# Altium PCB OSA_V100.PcbDoc (part 5 of 5)
Units mm, origin at the board's own origin, x right, y up, seen from the top; angles counter-clockwise.
Board outline 82 x 80 mm, 6 copper layers ([L1] TOP, [L2] GND_1, [L3] SIGNAL, [L4] POWER, [L5] GND_2, [L6] BOTTOM), stack 1.608 mm thick; 297 components, 180 nets, 1222 pads, 1522 vias.
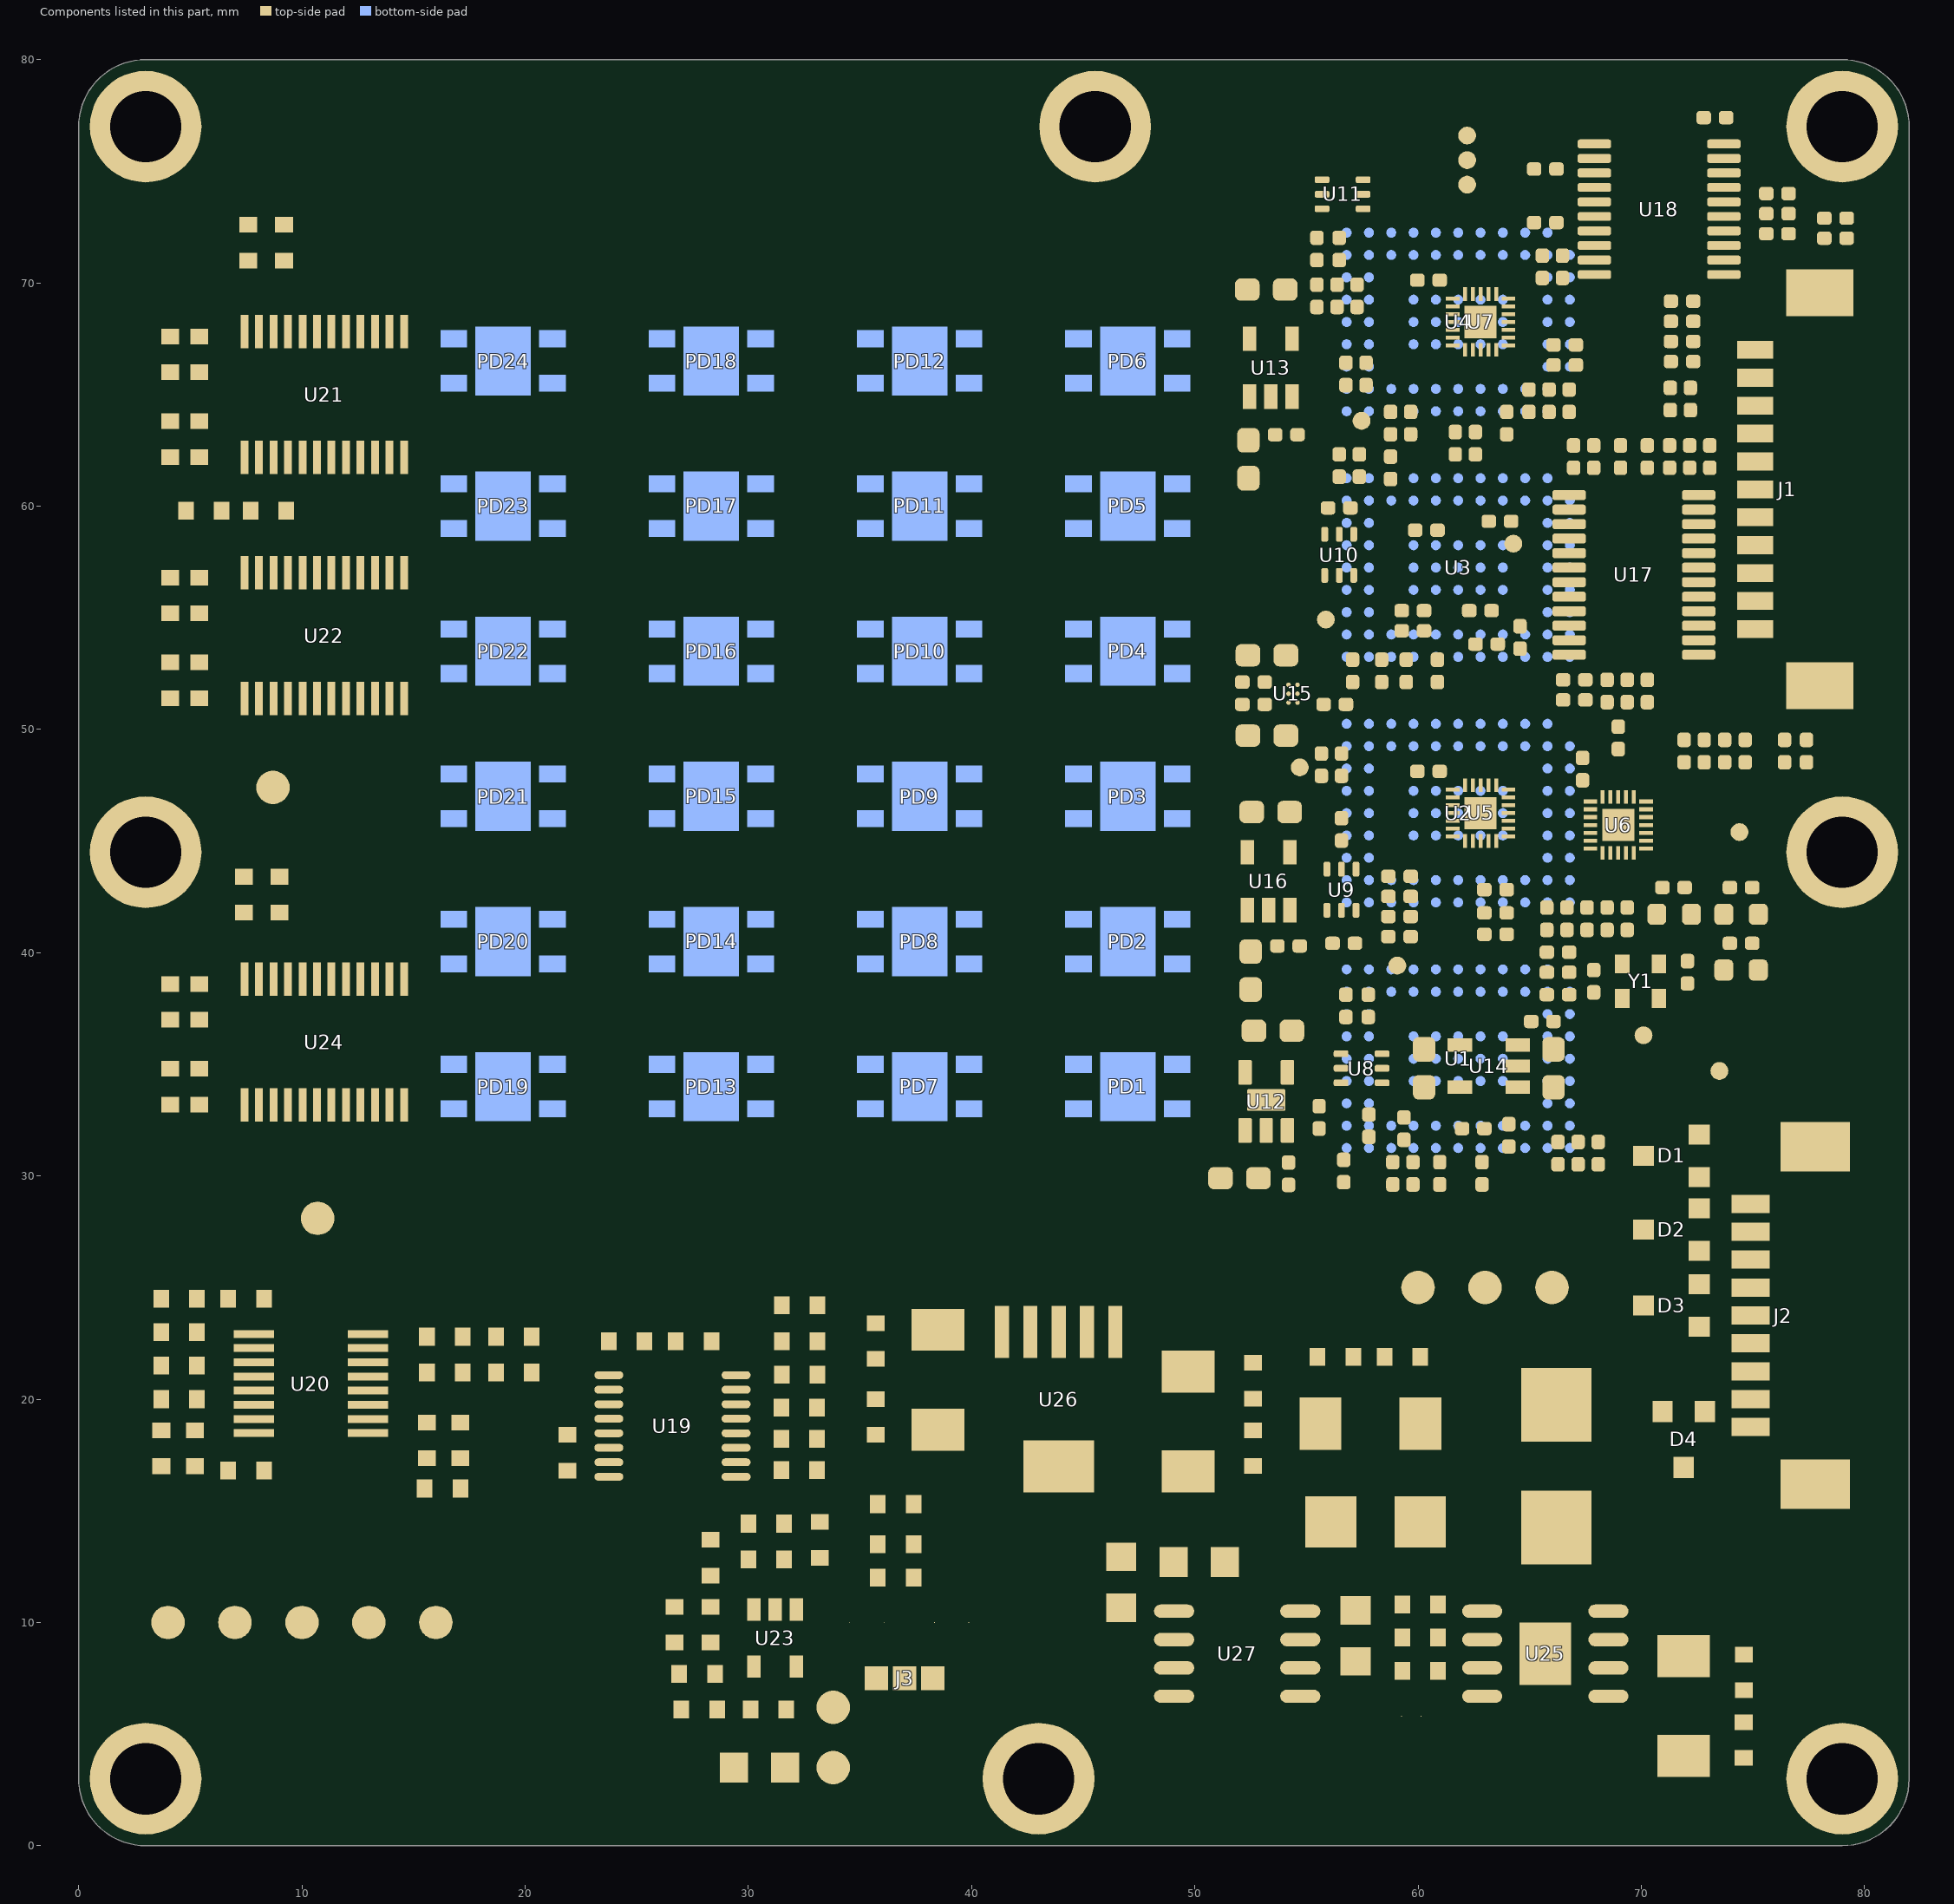
[diagram p9: the components of this part, seen from the top]

## Polygon pours and split planes (outlines as drawn) (continued)
+2.8V on [L4] POWER "+2.8V_L04_P013" (solid, pour order 13): 64.3,41.9 64.3,40.6 64.1,40.4 61.3,40.4 61.1,40.6 61.1,40.8 60.9,41 60.2,41 60,40.8 60,39.9 60.2,39.7 66.7,39.7 67.3,39.1 67.3,35.1 67.5,34.9 67.7,34.9 67.9,34.7 67.9,33.5 67.7,33.3 67.1,33.3 66.8,33 66.8,31.4 66.6,31.2 64.7,31.2 64.5,31.4 64.5,32.3 64.3,32.5 62.6,32.5 62.3,32.8 62.3,33.4 62.1,33.6 60.1,33.6 59.8,33.3 59.8,32.7 60,32.5 60.8,32.5 61,32.3 61,31.3 60.8,31.1 58.2,31.1 58,30.9 58,30.5 58.3,30.2 68,30.2 68.3,30.5 68.3,32.2 68.6,32.2 68.8,32.4 68.8,37.1 68.5,37.4 68.4,37.4 68.2,37.6 68.2,38.3 68.4,38.5 71.6,38.5 71.8,38.7 71.8,41 72,41.2 74.5,41.2 75,41.7 75,58.1 74.6,58.5 64.4,58.5 64.2,58.7 64.2,62.6 64.4,62.8 66.1,62.8 66.4,63.1 66.4,65.1 66.6,65.3 67.6,65.3 67.8,65.5 67.8,66.1 67.6,66.3 65.3,66.3 64.9,65.9 64.9,63.9 64.6,63.6 60.2,63.6 60,63.4 60,63 60.3,62.7 63,62.7 63.2,62.5 63.2,56.9 63.4,56.7 64.7,56.7 65,56.4 65,54.4 64.7,54.1 58.3,54.1 58.1,53.9 58.1,52.9 58.6,52.4 66.8,52.4 67,52.6 67,53.3 67.2,53.5 68.9,53.5 69.1,53.3 69.1,53 69.2,52.9 69.6,52.9 69.7,53 69.7,53.3 69.9,53.5 71.2,53.5 71.4,53.3 71.4,42 71.2,41.8 69.1,41.8 68.8,42.1 68.8,42.6 68.6,42.8 68.3,42.8 68.1,42.6 68.1,42.3 67.9,42.1 64.5,42.1
-5 on [L4] POWER "-5_L04_P028" (solid, pour order 28): 36.5,12.3 50.3,12.3 50.3,10.5 42.5,10.5 42.5,8.6 42.3,8.4 37.9,8.4 37.6,8.1 37.6,4.4 37.3,4.1 8.7,4.1 8.4,4.4 8.4,8.2 4.7,8.2 4.3,8.6 4.3,30.6 4.8,31.1 9.6,31.1 9.9,30.8 9.9,29.4 9.7,29.2 6.4,29.2 5.9,28.7 5.9,10.2 6.2,9.9 10.5,9.9 10.8,9.6 10.8,6.5 11.1,6.2 35.7,6.2 36.2,6.7 36.2,12
12V_EXP on [L4] POWER "12V_EXP_L04_P020" (solid, pour order 20): 77.2,5.6 79.4,5.6 80,6.2 80,24.9 79.5,25.4 70.5,25.4 70.2,25.1 70.2,7.3 69.7,6.8 60.7,6.8 60.3,6.4 60.3,5 59.8,4.5 47.9,4.5 47.9,7.4 47.3,8 38.1,8 37.8,7.7 37.8,3.9 8.5,3.9 8.1,4.3 8.1,7.6 7.7,8 4.2,8 3.9,8.3 3.9,30.9 3.7,31.1 1.8,31.1 1.8,6.3 2.1,6 5.1,6 6,5.1 6,2.1 6.4,1.7 39.9,1.7 40.2,2 40.2,4.3 41.6,5.7 44.5,5.7 45.7,4.5 45.7,1.9 45.9,1.7 76.1,1.7 76.3,1.9 76.3,4.7
+3.3 on [L4] POWER "+3.3_L04_P022" (solid, pour order 22): 42.2,12.4 36.4,12.4 36.15,12.15 36.15,6.95 35.7,6.5 11.4,6.5 11,6.9 11,9.9 10.7,10.2 6.6,10.2 6.1,10.7 6.1,28.5 6.6,29 9.8,29 10.1,29.3 10.1,31 9.7,31.4 1.8,31.4 1.8,73.3 2.6,74.1 14.5,74.1 14.8,73.8 14.8,31.4 41.8,31.4 42.4,30.8 42.4,12.6
+3.3V on [L4] POWER "+3.3V_L04_P012" (solid, pour order 12): 75.6,75.2 73.8,75.2 73.4,75.6 73.4,77.3 52.2,77.3 51.8,76.9 51.8,70.6 52,70.4 52.9,70.4 53.4,69.9 53.4,55.7 53.7,55.4 54.3,55.4 54.5,55.2 54.5,53.9 54.3,53.7 54.1,53.7 54,53.6 54,28.6 68.1,28.6 68.3,28.8 68.3,32 68.4,32.1 68.9,32.1 69,32.2 69,37.3 68.8,37.5 68.5,37.5 68.3,37.7 68.3,38.2 68.5,38.4 71.7,38.4 72,38.1 72,28.1 71.4,27.5 52.9,27.5 52.5,27.9 52.5,41.9 51.4,41.9 51,42.3 51,69.4 50.5,69.9 50.5,78 51,78.5 80,78.5 80,68.1 79.5,67.6 75,67.6 75,62.8 70.2,62.8 70.2,69.5 70.6,69.9 75.2,69.9 75.7,70.4 75.7,75.1
+2.4V on [L4] POWER "+2.4V_L04_P018" (solid, pour order 18): 51.8,70.4 51.8,76.6 52.5,77.3 72.9,77.3 73.3,76.9 73.3,75.5 72.9,75.1 53.3,75.1 53.3,70.8 52.9,70.4
+1.05V on [L4] POWER "+1.05V_L04_P016" (solid, pour order 16): 68.9,42.8 68.9,41.9 71.3,41.9 71.3,53.5 69.8,53.5 69.8,51.2 66.1,51.2 66.1,49.8 69.5,49.8 69.9,49.4 69.9,43.6 70.7,43.6 70.7,42.5 69.6,42.5 69.6,42.8
+1.05V on [L4] POWER "+1.05V_L04_P014" (solid, pour order 14): 56.6,31.9 56.6,31.5 56.4,31.3 54.1,31.3 54,31.4 54,53.7 54.5,53.7 54.5,55.4 53.4,55.4 53.4,71.9 53.6,72.1 57.4,72.1 57.5,72 57.5,71.3 57.3,71.1 56.5,71.1 56.5,67.6 56.7,67.4 60.4,67.4 60.6,67.2 60.6,64.7 60.4,64.5 60.2,64.5 60,64.7 60,66.3 59.7,66.6 57.9,66.6 57.7,66.4 57.7,64.5 57.6,64.4 57.3,64.4 57.1,64.2 57.1,60 56.9,59.8 56,59.8 55.7,59.5 55.7,50.3 55.8,50.2 56,50 56,49.5 55.6,49.1 55.6,42.3 56,41.9 56.7,41.9 57,42.2 57,42.9 57.2,43.1 60.3,43.1 60.5,42.9 60.5,42.6 60.4,42.5 57.8,42.5 57.8,41.4 57.4,41 56,41 55.6,40.6 55.6,39.4 55.9,39.1 56.4,39.1 56.6,38.9 56.6,38.5 56.4,38.3 55.8,38.3 55.5,38 55.5,35.2 55.1,34.8 55.1,32.6 55.5,32.2 56.3,32.2
+5V_CAM on [L4] POWER "+5V_CAM_L04_P006" (solid, pour order 6): 75.1,67.6 75.1,49.9 74.9,49.7 74.9,41.3 74.6,41 72.2,41 72,40.8 72,27.8 71.7,27.5 52.6,27.5 52.4,27.7 52.4,41.7 52.2,41.9 51.2,41.9 51,41.7 51,25.8 51.2,25.6 79.8,25.6 80,25.8 80,67.6
+1.8V on [L4] POWER "+1.8V_L04_P017" (solid, pour order 17): 53.4,28.4 72,28.4 72,40.75 78.8,40.75 78.8,75.1 53.4,75.1
GND on [L6] BOTTOM "L6_POLY_GND" (solid, remove dead copper, pour order 31): 0,3 0,77 cw(c3,77) 3,80 79,80 cw(c79,77) 82,77 82,3 cw(c79,3) 79,0 3,0 cw(c3,3)
-5 on [L6] BOTTOM "-5_L06_P024" (solid, remove dead copper, pour order 24): 7.2,29.3 7.2,38.219 8,39.019 8,54.3 6.6,55.7 6.6,70.4 7.2,71 9.8,71 9.8,29.3
12V_EXP on [L6] BOTTOM "12V_EXP_L06_P023" (solid, remove dead copper, pour order 23): 1.8,29.3 6.6,29.3 6.6,38.5 7.7,39.6 7.7,54 6.3,55.4 6.3,61.9 2,61.9 2,47.9 2.5,47.4 5.2,47.4 5.9,46.7 5.9,42.5 5,41.6 2.6,41.6 1.8,40.8
GND on [L1] TOP "L1_POLY_GND" (solid, remove dead copper, pour order 27): 0,3 0,77 cw(c3,77) 3,80 79,80 cw(c79,77) 82,77 82,3 cw(c79,3) 79,0 3,0 cw(c3,3)
GND on [L5] GND_2 "L5_POLY_GND" (solid, remove dead copper, pour order 30): 0,3 0,77 cw(c3,77) 3,80 79,80 cw(c79,77) 82,77 82,3 cw(c79,3) 79,0 3,0 cw(c3,3)
GND on [L2] GND_1 "L2_POLY_GND" (solid, remove dead copper, pour order 29): 0,3 0,77 cw(c3,77) 3,80 79,80 cw(c79,77) 82,77 82,3 cw(c79,3) 79,0 3,0 cw(c3,3)

## Keep-outs
[L1] TOP:
  region: 62.7,20.6 62.7,13.4 64.4,13.4 64.4,16.2 68,16.2 68,13.4 69.6,13.4 69.6,20.8 68,20.8 68,17.9 64.4,17.9 64.4,20.6
  lines w0.2: 15.216,31.7 15.216,69.3 50.8,69.3 50.8,31.7 15.216,31.7 ; 15.5,32 15.5,69 50.5,69 50.5,32 15.5,32
[L2] GND_1:
  lines w0.2: 15.216,31.7 15.216,69.3 50.8,69.3 50.8,31.7 15.216,31.7 ; 15.5,32 15.5,69 50.5,69 50.5,32 15.5,32
[L5] GND_2:
  lines w0.2: 15.216,31.7 50.8,31.7 50.8,69.3 15.216,69.3 15.216,31.7 ; 15.5,32 15.5,69 50.5,69 50.5,32 15.5,32
[L3] SIGNAL:
  lines w0.2: 15.216,31.7 15.216,69.3 50.8,69.3 50.8,31.7 15.216,31.7 ; 15.5,32 50.5,32 50.5,69 15.5,69 15.5,32
[L4] POWER:
  lines w0.2: 15.216,31.7 50.8,31.7 50.8,69.3 15.216,69.3 15.216,31.7 ; 15.5,32 15.5,69 50.5,69 50.5,32 15.5,32
[L6] BOTTOM:
  lines w0.2: 15.216,31.7 50.8,31.7 50.8,69.3 15.216,69.3 15.216,31.7 ; 15.5,32 15.5,69 50.5,69 50.5,32 15.5,32
Keep-Out Layer:
  lines w0.55: 82,77 ccw(c79,77) 79,80 3,80 ccw(c3,77) 0,77 0,3 ccw(c3,3) 3,0 79,0 ccw(c79,3) 82,3 82,77 ; 82,77 82,77

## Other copper
[L1] TOP:
  rectangle net GND: 15.8,32.3 50.2,68.7
  region net +3.3V: 54.63,53.07 54.63,55.22 53.53,55.22 53.53,53.07
  region net GND: 27.9,13.35 29.4,13.35 29.4,14.05 27.9,14.05
  region net GND: 74.187,4.278 74.187,2.028 74.987,2.028 74.987,4.278
  region net GND: 80.5,13.363 80.537,13.4 81.5,13.4 81.5,76.96 ccw(c78.96,76.96) 78.96,79.5 3.04,79.5 ccw(c3.04,76.96) 0.5,76.96 0.5,12.04 1.5,12.04 1.5,77 cw(c3.25,76.75) 3,78.5 79,78.5 cw(c78.75,76.75) 80.5,77
  region net GND: 1.5,14 0.5,14 0.5,3 ccw(c3.04,3.04) 3,0.5 78.96,0.5 ccw(c78.96,3.04) 81.5,3.04 81.5,15 80.5,15 80.5,3 cw(c78.75,3.25) 79,1.5 3,1.5 cw(c3.25,3.25) 1.5,3
  region net GND: 29.857,4.057 27.457,4.057 27.457,2.957 29.857,2.957
  region net GND: 3.3,17.35 3.3,15.1 4.1,15.1 4.1,17.35
  region net GND: 5.6,17.35 3.3,17.35 3.3,16.65 5.6,16.65
  region net GND: 30.9,11.075 30.9,8.9 31.5,8.9 31.5,11.075
  region net GND: 36.255,6.975 36.255,9.1 35.205,9.1 35.205,6.975
  region net GND: 35.45,15.7 35.45,13.1 36.15,13.1 36.15,15.7
  region net GND: 4.05,23.4 2.5,23.4 2.5,22.6 4.05,22.6
  region net GND: 22.3,18.75 20,18.75 20,18.05 22.3,18.05
  region net GND: 19.95,20.8 22.2,20.8 22.2,21.6 19.95,21.6
  region net GND: 19.95,22.4 22.2,22.4 22.2,23.2 19.95,23.2
  region net GND: 3.7,33.55 3.7,31.3 4.5,31.3 4.5,33.55
  region net GND: 35.3,18.75 35.3,16.5 36.1,16.5 36.1,18.75
  region net GND: 37.938,19.138 37.938,16.738 39.038,16.738 39.038,19.138
  region net GND: 32.75,22.2 35,22.2 35,23 32.75,23
  region net GND: 28,22.2 30.25,22.2 30.25,23 28,23
  region net GND: 48.575,8.935 51.2,8.935 51.2,9.535 48.575,9.535
  region net GND: 50.843,12.143 53.243,12.143 53.243,13.243 50.843,13.243
  region net GND: 47.2,13.5 44.8,13.5 44.8,12.4 47.2,12.4
  region net GND: 43.343,17.49 43.343,15.09 44.443,15.09 44.443,17.49
  region net GND: 49.143,17.265 49.143,14.865 50.243,14.865 50.243,17.265
  region net GND: 52.2,17.35 52.2,15.1 53,15.1 53,17.35
  region net GND: 55.225,9.535 52.6,9.535 52.6,8.935 55.225,8.935
  region net GND: 59.65,9.723 58.2,9.723 58.2,8.923 59.65,8.923
  region net GND: 55.443,14.8 55.443,12 56.7,12 56.7,14.8
  region net GND: 55.85,22.3 53.6,22.3 53.6,21.5 55.85,21.5
  region net GND: 53.407,29.4 53.407,31.1 52.307,31.1 52.307,29.4
  region net GND: 52.2,37.873 53.573,37.873 53.7,38 53.7,38.8 52.2,38.8
  region net GND: 54.8,36.2 54.8,37.7 54.05,37.7 54.05,36.2
  region net GND: 51.903,50.22 51.903,47.82 52.68,47.82 52.68,50.22
  region net GND: 54.7,46 54.7,47.577 53.707,47.577 53.707,46
  region net GND: 52.68,52.82 52.68,55.22 52.08,55.22 52.08,52.82
  region net GND: 52.15,61.75 52.15,59.35 52.65,59.35 52.65,61.75
  region net GND: 54.607,69.2 54.607,71.6 53.507,71.6 53.507,69.2
  region net GND: 71.343,4.3 71.343,1.9 72.443,1.9 72.443,4.3
  region net GND: 74.044,19.594 76.899,19.594 76.899,20.406 74.044,20.406
  region net GND: 74.3,65.25 76.6,65.25 76.6,66.25 74.3,66.25
  region net GND: 7.8,42.15 6.2,42.15 6.2,41.45 7.8,41.45
  region net GND: 4.5,51.75 2.9,51.75 2.9,51.05 4.5,51.05
  region net GND: 4.5,62.55 2.9,62.55 2.9,61.85 4.5,61.85
  region net GND: 5.15,60.2 3.6,60.2 3.6,59.4 5.15,59.4
  region net GND: 8,71.35 6.4,71.35 6.4,70.65 8,70.65
  region net +5V_CAM: 51.8,42.5 51.8,39.6 51.9,39.5 53.8,39.5 54,39.7 54,40.7 53.8,40.9 52.7,40.9 52.7,42.5
  region net +3.3: 32.723,19.2 34.6,19.2 34.6,20.1 32.723,20.1
  region net +3.3: 4.6,66.557 2.2,66.557 2.2,65.457 4.6,65.457
  region net +3.3: 4.6,55.757 2.2,55.757 2.2,54.657 4.6,54.657
  region net +3.3: 4.6,37.557 2.2,37.557 2.2,36.457 4.6,36.457
  region net -5: 49.7,10.3 49.7,14.6 48.3,14.6 48.3,10.3
  region net +5V_CAM: 74.3,66.5 76.6,66.5 76.6,67.5 74.3,67.5
  region net VREF_PD: 31.1,4.1 33.5,4.1 33.5,2.2 33.3,2 31.3,2 31.1,2.2
  region net VREF_ADC: 31.8,8.4 31.8,4.9 31.9,4.8 33.6,4.8 33.8,5 33.8,8.2 33.5,8.5 31.9,8.5
  region net +5: 49.757,21 49.757,23.4 48.657,23.4 48.657,21
  region net +5: 46.143,11.157 46.143,8.757 47.243,8.757 47.243,11.157
  region net +5: 59.5,8.1 59.5,4.9 57.6,4.9 57.6,7 58.7,7 58.7,8.1
  region net 12V_EXP: 59.9,6.5 59.9,4.9 61.7,4.9 61.7,6 61.2,6.5
  region net +5: 59.7,21.343 62,21.343 62,22.443 59.7,22.443
  region net +5: 67.7,18.2 64.7,18.2 64.7,20.8 62.3,20.8 62.3,17.7 59.7,17.7 59.7,22.6 67.7,22.6 67.7,22.5
  region net NetC115_1: 59.6,11.7 59.6,10.5 59,10.5 59,15.6 62.5,15.6 62.5,13.2 64.6,13.2 64.6,15.6 67.8,15.6 67.8,13.2 69.5,13.2 69.5,10.2 67.6,10.2 67.6,11.7
  region net +3.3: 36.257,22.9 36.257,25.3 35.157,25.3 35.157,22.9
  region net 12V_EXP: 70.8,8.9 70.8,8.2 75.746,8.2 75.746,19.156 74,19.156 74,10.6 70.2,10.6 70.2,9.6 67.6,9.6 67.6,8.9
  region net +3.3V: 52.1,65.2 51.9,65 51.9,62.7 52.129,62.471 53.384,62.471 53.85,62.937 53.85,63.493 53.643,63.7 52.847,63.7 52.847,63.994 52.7,64.141 52.7,65.2
  region net +1.8V: 52.1,44.263 52.1,46.263 52.4,46.563 53.1,46.563 53.2,46.463 53.2,44.863 52.6,44.262
  region net +3.3V: 52,34.4 52,36.4 52.3,36.7 53,36.7 53.1,36.6 53.1,35 52.5,34.4
  region net +1.05V: 54.6,51.7 54.6,50.24 54.08,49.72 54.1,49.7 54.1,49 54.4,48.7 55.8,48.7 55.9,48.8 55.9,49.7 55.6,50 55,50 54.9,50.1 54.9,51.6 54.8,51.7
  region net +2.4V: 52.907,69.2 52.907,71.6 51.807,71.6 51.807,69.2
[L3] SIGNAL:
  region net GND: 80.5,13.363 80.537,13.4 81.5,13.4 81.5,76.96 ccw(c78.96,76.96) 78.96,79.5 3.04,79.5 ccw(c3.04,76.96) 0.5,76.96 0.5,12.04 1.5,12.04 1.5,77 cw(c3.25,76.75) 3,78.5 79,78.5 cw(c78.75,76.75) 80.5,77
  region net GND: 1.5,14 0.5,14 0.5,3 ccw(c3.04,3.04) 3,0.5 78.96,0.5 ccw(c78.96,3.04) 81.5,3.04 81.5,15 80.5,15 80.5,3 cw(c78.75,3.25) 79,1.5 3,1.5 cw(c3.25,3.25) 1.5,3
[L4] POWER:
  region net GND: 80.5,13.363 80.537,13.4 81.5,13.4 81.5,76.96 ccw(c78.96,76.96) 78.96,79.5 3.04,79.5 ccw(c3.04,76.96) 0.5,76.96 0.5,12.04 1.5,12.04 1.5,77 cw(c3.25,76.75) 3,78.5 79,78.5 cw(c78.75,76.75) 80.5,77
  region net GND: 1.5,14 0.5,14 0.5,3 ccw(c3.04,3.04) 3,0.5 78.96,0.5 ccw(c78.96,3.04) 81.5,3.04 81.5,15 80.5,15 80.5,3 cw(c78.75,3.25) 79,1.5 3,1.5 cw(c3.25,3.25) 1.5,3
[L6] BOTTOM:
  region net GND: 1.5,14 0.5,14 0.5,3.04 ccw(c3.04,3.04) 3.04,0.5 78.956,0.5 ccw(c78.96,3.04) 81.5,3.04 81.5,15 80.5,15 80.5,3 cw(c78.75,3.25) 79,1.5 3,1.5 cw(c3.25,3.25) 1.5,3
  region net GND: 80.5,13.363 80.537,13.4 81.5,13.4 81.5,76.96 ccw(c78.96,76.96) 78.96,79.5 3.04,79.5 ccw(c3.04,76.96) 0.5,76.96 0.5,12.04 1.5,12.04 1.5,77 cw(c3.25,76.75) 3,78.5 79,78.5 cw(c78.75,76.75) 80.5,77
  region net +1.8V: 51.9,45.9 51.9,45.1 51.9,44.8 56.1,44.8 56.3,45 56.3,45.5 56.2,45.6 55.2,45.6 55.2,45.9
  region net 12V_EXP: 60.1,6.5 60.1,4.9 70.3,4.9 70.3,7.554 73.081,7.554 73.081,10.6 69.2,10.6 69.2,6.5 61.5,6.5

## Silkscreen, mask and mechanical layers (free items; w line width, h text height)
Top Overlay:
  drawing of 34 lines, arcs and shapes, not listed
  text "PROJECT BEE-PC" at 20.463,72.299 h2
  text "[OSA - Ver 1.0.0]" at 22.904,70.983 h1.5
  text "GND" at 72.029,43.949 h1.5
  text "Designed by: Cam Doan" at 13.408,30.322 h1.5
  text "Checked by: Bao Bui" at 15.515,28.853 h1.5
  text "Approved by: Vu Pham" at 14.144,27.361 h1.5
Bottom Overlay:
  drawing of 19 lines, arcs and shapes, not listed
  text "PROJECT BEE-PC" at 46.237,20.299 h2
  text "[OSA - Ver 1.0.0]" at 43.296,18.683 h1.5
  text "Designed by: Cam Doan" at 46.992,17.022 h1.5
  text "Checked by: Bao Bui" at 44.885,15.553 h1.5
  text "Approved by: Vu Pham" at 46.252,14.062 h1.5
Top Solder:
  region: 1.5,14 0.5,14 0.5,3 ccw(c3.04,3.04) 3,0.5 78.96,0.5 ccw(c78.96,3.04) 81.5,3.04 81.5,15 80.5,15 80.5,3 cw(c78.75,3.25) 79,1.5 3,1.5 cw(c3.25,3.25) 1.5,3
  region: 80.5,13.363 80.537,13.4 81.5,13.4 81.5,76.96 ccw(c78.96,76.96) 78.96,79.5 3.04,79.5 ccw(c3.04,76.96) 0.5,76.96 0.5,12.04 1.5,12.04 1.5,77 cw(c3.25,76.75) 3,78.5 79,78.5 cw(c78.75,76.75) 80.5,77
Bottom Solder:
  region: 80.5,13.363 80.537,13.4 81.5,13.4 81.5,76.96 ccw(c78.96,76.96) 78.96,79.5 3.04,79.5 ccw(c3.04,76.96) 0.5,76.96 0.5,12.04 1.5,12.04 1.5,77 cw(c3.25,76.75) 3,78.5 79,78.5 cw(c78.75,76.75) 80.5,77
  region: 1.5,14 0.5,14 0.5,3 ccw(c3.04,3.04) 3,0.5 78.96,0.5 ccw(c78.96,3.04) 81.5,3.04 81.5,15 80.5,15 80.5,3 cw(c78.75,3.25) 79,1.5 3,1.5 cw(c3.25,3.25) 1.5,3
Mechanical 1:
  lines w0.05: 0.2,27 0.2,27.1 ; 3.7,43.1 4.9,43.1 ; 6.2,9.1 11.5,9.1
  lines w0.15: 0,34 50,34 ; 0,40.5 50,40.5 ; 0,47 50,47 ; 0,53.5 50,53.5 ; 0,60 50,60 ; 0,66.5 50,66.5 ; 19.01,9 19.01,78 ; 28.34,9 28.34,78 ; 37.67,9 37.67,78 ; 47,9 47,78 ; 50,35.25 76,35.25 ; 50,46.25 76,46.25 ; 50,57.25 76,57.25 ; 50,68.25 76,68.25 ; 61.8,9 61.8,78

## Dimensions
47,9 to 37.67,9 on Mechanical 1

## Text inside footprints (layer, text, board x,y; h text height)
U18: Top Component Outline "*" at 68.616,75.256 h1.27